# Altium PCB iMX53_BB_PCB_V1I2.PcbDoc (part 6 of 9)
Units mm, origin at the board's own origin, x right, y up, seen from the top; angles counter-clockwise.
Board outline 165 x 100.5 mm, 6 copper layers (Top, GND, SignalH, SignalV, Power, Bottom); 582 components, 590 nets, 2473 pads, 1817 vias.
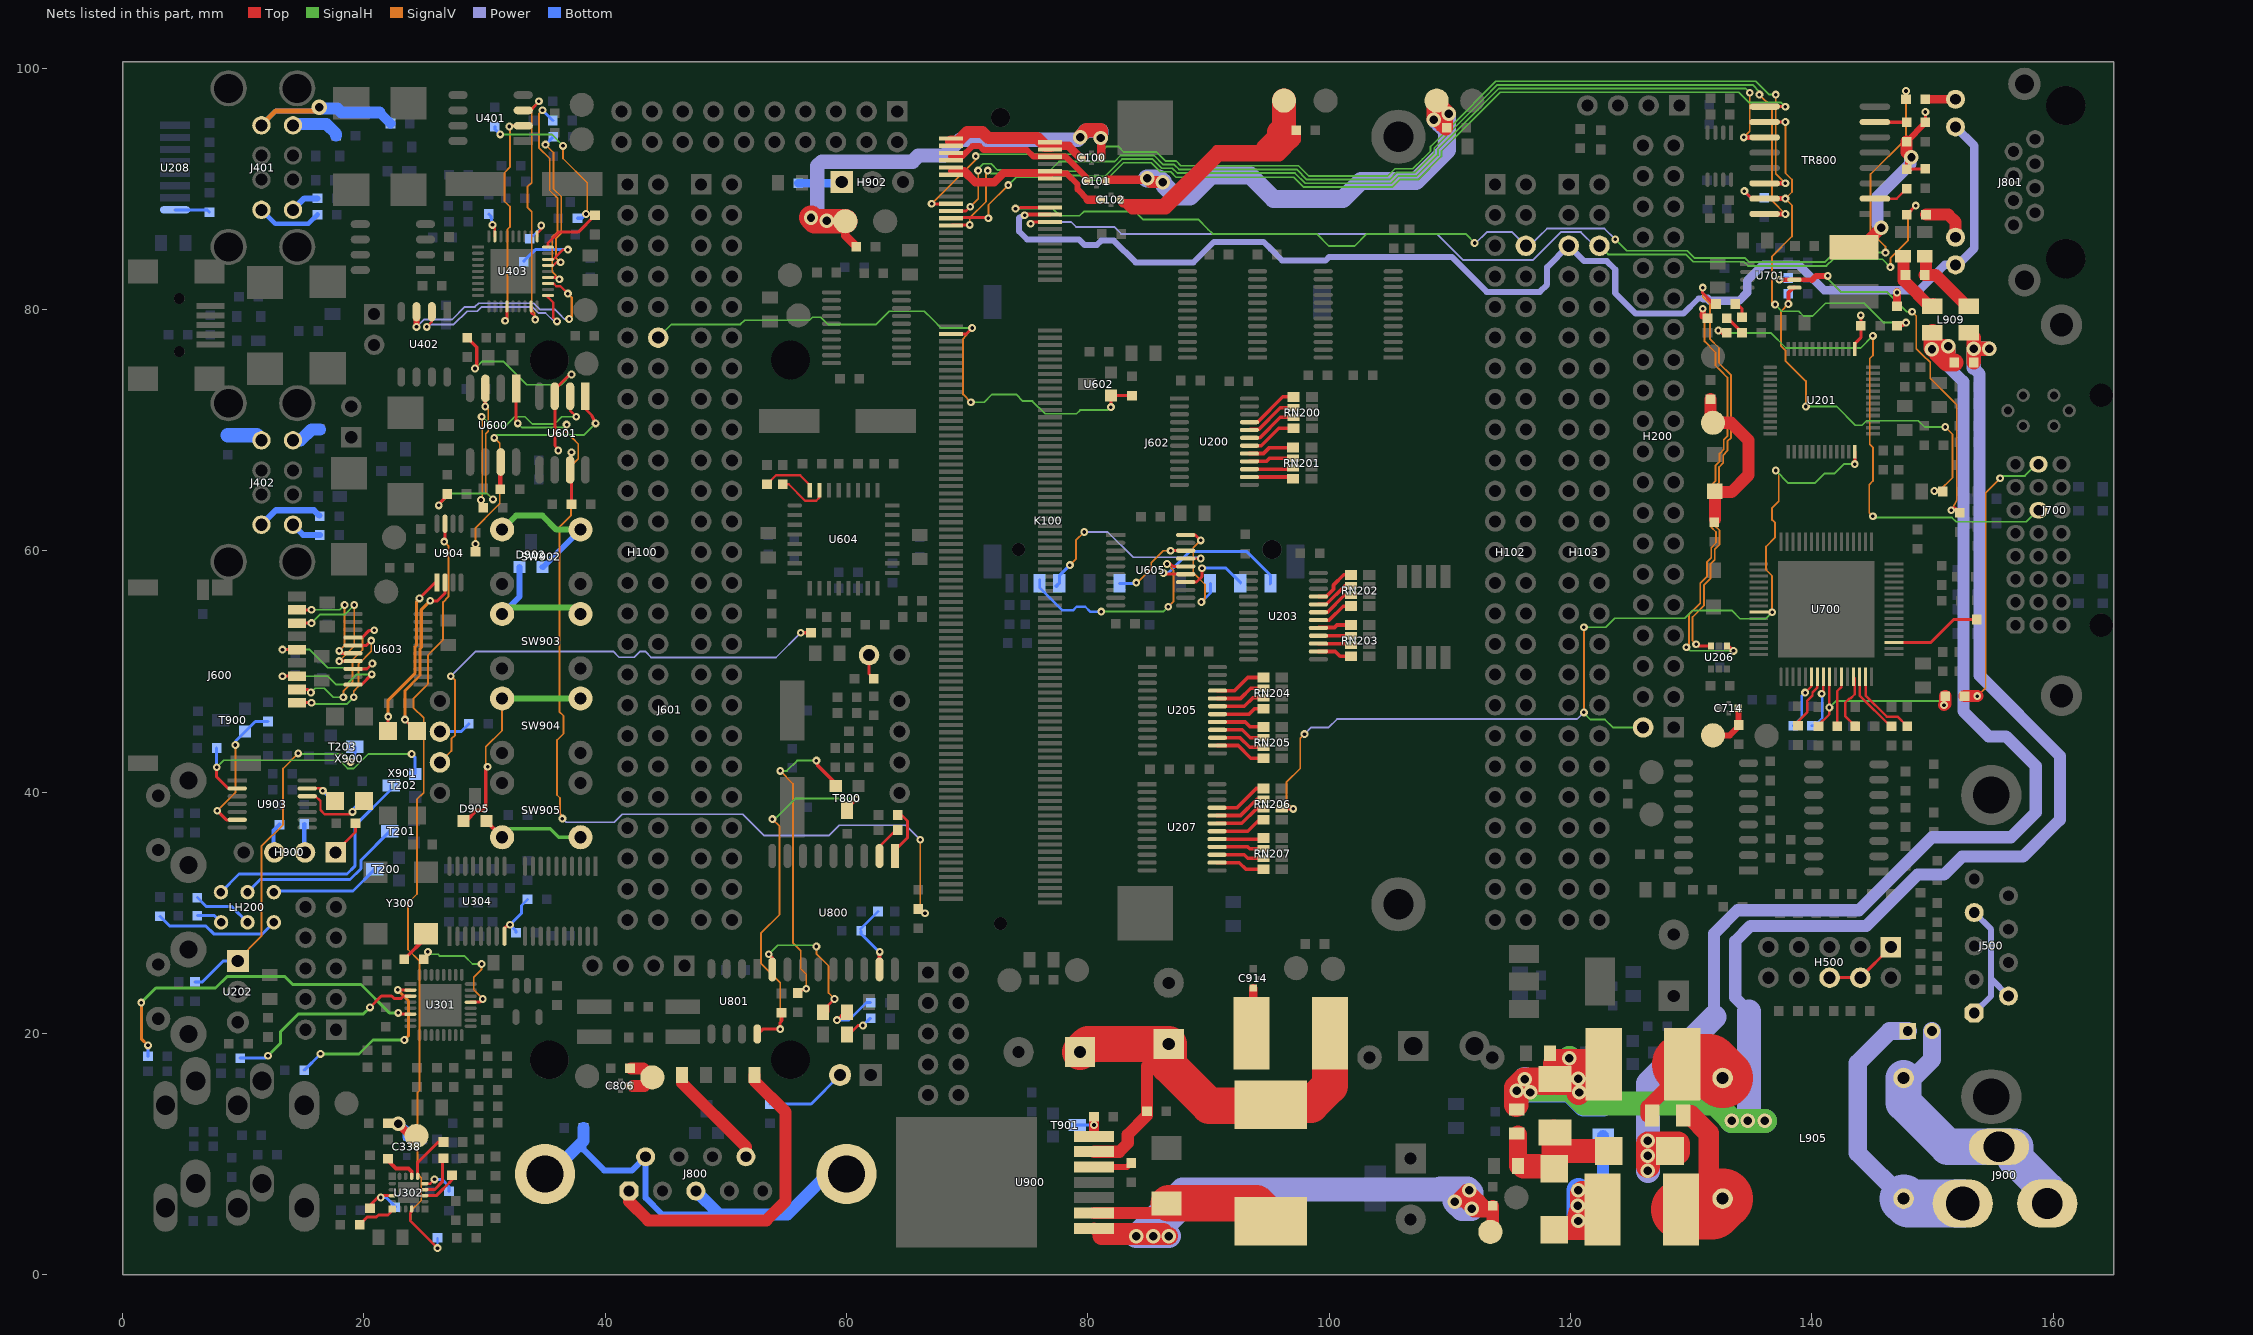
[diagram p10: the nets of this part, all layers, seen from the top]

## Via types
v1: diameter 0.65, hole 0.3, Top to Bottom, tented both sides, 1294 vias
v2: diameter 0.8, hole 0.4, Top to Bottom, tented both sides, 303 vias
v3: diameter 1.2, hole 0.7, Top to Bottom, tented both sides, 213 vias
v4: diameter 0.65, hole 0.3, Top to Bottom, 4 vias
v5: diameter 0.8, hole 0.4, Top to Bottom, 1 vias
v6: diameter 1.27, hole 0.711, Top to Bottom, tented both sides, 1 vias
v7: diameter 1.2, hole 0.7, Top to Bottom, 1 vias

## Nets (pads, with @x,y where several pads share a name; then routed paths per layer and width w, separated by ;. In a path a pad name is that pad's centre, name@x,y a point inside that pad or via, vN(x,y) a via of type N, cw(c..) or ccw(c..) an arc to the next point about the centre after c; other vN are vias at no path point) (continued)
NetC804_2: C804.2 R812.1 TR800.10 TR800.15 | length 37.3
  Top w0.25: v1(134.4,89.8) 135.025,89.175 TR800.15@136.078,89.175 ; TR800.10@136.078,95.525 v1(137.8,95.525) ; R812.1@147.05,78.65 147.55,78.65 v1(147.8,78.9)
  Top w0.4: TR800.15@136.078,89.175 v1(137.8,89.175)
  SignalH w0.15: v1(136.95,80.4) 137.5,79.85 138.9,79.85 139.3,79.45 140.076,79.45 141.126,80.5 144.324,80.5 144.474,80.35 144.5,80.35 145.952,78.898 147.798,78.898 v1(147.8,78.9)
  SignalV w0.15: v1(136.95,80.4) 136.7,80.35 136.7,80.4 136.7,84.4 138.35,86.05 138.35,88.625 v1(137.8,89.175) 138.35,89.725 138.35,90.75 137.8,91.3 v1(137.8,95.525)
  Bottom w0.25: v1(134.4,89.8) 134.95,89.25 C804.2@136.05,89.25
NetC805_1: C805.1 R814.2 R815.2 R817.1 R818.1 | length 17.4
  Top w0.25: v3(148.25,92.6) 147.85,92.2 R814.2@147.85,91.6 147.9,91.65 R818.1@149.4,91.65 ; R817.1@149.4,95.45 R817.1@149.4,95.5 v1(149.4,96.352)
  Top w0.5: R815.2@147.85,93.9 R817.1@149.4,95.45
  Top w1: C805.1@143.5,85.132 144.132,85.132 v3(145.75,86.75) ; R815.2@147.85,93.9 147.85,93 v3(148.25,92.6)
  Power w1: v3(145.75,86.75) 145.45,87.05 145.45,89.35 148.15,92.05 148.15,92.6 v3@148.15,92.65
NetC809_2: C809.2 R819.2 R820.1 U800.17 | length 5.9
  Top w0.35: U800.17@62.73,25.3 v1@62.73,26.75
  Bottom w0.25: R820.1@61.15,28.65 R819.2@62.6,30.1 ; R820.1@61.2,28.5 61.2,28.25 62.7,26.75 v1(62.75,26.75)
NetC904_2: C904.2 T901.3 U900.7 | length 3.2
  Top w0.8: U900.7@80.496,11.46 80.5,11.464 v1(80.5,12.4) C904.2@80.5,13.1
  SignalV w0.15: v1@80.3,12.4 v1(80.5,12.4)
  Bottom w0.25: T901.3@79.1,12.4 v1(80.5,12.4)
NetC907_2: C907.2 U900.5 | length 3.3
  Top w0.5: U900.5@80.496,8.92 83.22,8.92 C907.2@83.6,9.3
NetC909_2: C909.2 U903.13 X900.1 | length 4
  Top w0.2: U903.13@15.3,40.3 16.545,40.3 16.672,40.172 X900.1@17.59,39.255
  Bottom w0.2: C909.2@17.4,39.3 C909.2@17.55,39.3
  Bottom w0.3: v1(16.6,40.1) C909.2@17.4,39.3
NetC910_2: C910.2 U903.12 X900.2 | length 7.5
  Top w0.2: U903.12@15.3,39.65 16,39.65 16.4,39.25 16.4,38.5 16.75,38.15 18.885,38.15 19.068,38.332 X900.2@19.99,39.255
  Bottom w0.25: v1@19,38.4 19,38.45 C910.2@19.85,39.3
  other v1: 19.05,38.35
NetD902_1: D902.1 SW902.2 SW902.4 | length 11.9
  SignalH w0.5: SW902.4@31.45,61.75 32.6,62.9 34.8,62.9 35.95,61.75 SW902.2@37.95,61.75
  Bottom w0.5: D902.1@34.8,58.65 34.85,58.65 SW902.2@37.95,61.75
NetD902_2: D902.2 SW903.2 SW903.4 | length 11.5
  SignalH w0.5: SW903.4@31.45,54.75 32,55.3 37.4,55.3 SW903.2@37.95,54.75
  Bottom w0.5: SW903.4@31.45,54.75 32.9,56.2 D902.2@32.9,58.65
NetD905_1: D905.1 SW904.2 SW904.4 | length 18.5
  Top w0.3: D905.1@28.25,37.6 28.45,37.6 29.35,38.5 29.8,38.5 30.1,38.8 30.1,41.95 v1(30.25,42.1)
  SignalH w0.5: SW904.4@31.45,47.75 SW904.2@37.95,47.75
  SignalV w0.15: v1(30.25,42.1) 30.1,42.25 30.1,43.75 31.45,45.1 SW904.4@31.45,47.75
NetD905_2: D905.2 SW905.2 SW905.4 | length 9
  Top w0.3: D905.2@30.15,37.6 30.15,37.55 SW905.2@31.45,36.25
  SignalH w0.3: SW905.2@31.45,36.25 32.15,36.95 35.45,36.95 36.15,36.25 SW905.4@37.95,36.25
NetH500_1: H500.1 H500.4 H500.6 | length 6.1
  Top w0.25: H500.6@141.47,24.61 H500.4@144.01,24.61 H500.1@146.55,27.15
NetH801_2: H801.2 R801.1 | length 6.8
  Bottom w0.25: R801.1@53.65,14.15 57.06,14.15 H801.2@59.46,16.55
NetH900_1: H900.1 R901.1 | length 3.1
  Top w0.25: H900.1@17.61,35 17.635,35.025 19.3,36.69 R901.1@19.3,37.4
NetH900_2: H900.2 R904.1 | length 2.4
  Bottom w0.25: H900.2@15.05,35.02 H900.2@15.07,35
  Bottom w0.35: H900.2@15.05,35.02 R904.1@15.05,37.35
NetH900_3: H900.3 R905.1 | length 2.5
  Bottom w0.25: H900.3@12.5,35.03 H900.3@12.53,35
  Bottom w0.35: H900.3@12.5,35.03 12.5,36.8 R905.1@13,37.3
NetH902_1: H902.1 R909.1 | length 3.6
  Bottom w0.7: R909.1@56,90.45 59.5,90.45 H902.1@59.6,90.55
NetJ401_1: J401.1 L402.2 | length 23.1
  SignalV w0.4: J401.1@11.5,95.25 12.7,96.45 16.25,96.45 v6(16.3,96.75)
  Power w0.4: J401.1@11.5,95.25 12.7,96.45 16.2,96.45 16.4,96.65 v6@16.5,96.75
  Bottom w0.4: J401.1@11.5,95.25 12.7,96.45 16.05,96.45 16.325,96.725 16.339,96.739 v6@16.35,96.75
  Bottom w0.8: 21.3,96.3 L402.2@22.2,95.4
  Bottom w1: v6@16.35,96.75 v6(16.3,96.75) 16.339,96.739 16.65,96.65 17.8,96.65 18.15,96.3 21.3,96.3
NetJ401_4: J401.4 L404.2 | length 5.4
  Bottom w0.4: J401.4@11.5,88.25 12.65,87.1 15.4,87.1 L404.2@16.15,87.85
NetJ401_5: J401.5 L403.1 | length 4.1
  Bottom w1: J401.5@14.12,95.25 14.22,95.35 16.9,95.35 17.7,94.55 L403.1@17.7,94.4
NetJ401_8: J401.8 L405.2 | length 2.4
  Bottom w0.5: J401.8@14.12,88.25 15.07,89.2 L405.2@16.15,89.2
NetJ402_1: J402.1 L406.2 | length 3
  Bottom w1.2: L406.2@8.7,69.55 11.1,69.55 J402.1@11.5,69.15
NetJ402_4: J402.4 L408.2 | length 5.5
  Bottom w0.5: J402.4@11.5,62.15 12.7,63.35 15.85,63.35 L408.2@16.3,62.9
NetJ402_5: J402.5 L407.1 | length 2.6
  Bottom w1: J402.5@14.12,69.15 14.75,69.15 15.65,70.05 L407.1@16.35,70.05
NetJ402_8: J402.8 L409.2 | length 2.6
  Bottom w0.5: J402.8@14.12,62.15 14.97,61.3 L409.2@16.35,61.3
NetJ500_1: J500.1 J500.4 J500.6 | length 11.5
  Top w0.5: J500.4@153.452,30.012 J500.4@153.488,30.012
  Power w0.5: J500.1@153.452,21.694 154.85,23.092 154.85,24.529 ; J500.4@153.452,30.012 154.85,28.614 154.85,24.529 ; J500.6@156.288,23.091 154.85,24.529
NetJ600_1: J600.1 U603.15 | length 12.1
  Top w0.25: J600.1@14.45,47.4 v1(15.65,47.4) ; U603.15@19.1,52.15 20.2,52.15 v1(20.6,52.55)
  SignalH w0.15: v1(15.65,47.4) 15.75,47.3 18.6,47.3 v1(19.15,47.85)
  SignalV w0.15: v1(19.15,47.85) 19.15,48.35 19.55,48.75 19.55,50.6 20.6,51.65 v1(20.6,52.55) v1@20.8,52.55
NetJ600_2: J600.2 U603.14 | length 13.2
  Top w0.25: J600.2@14.45,48.5 15.35,48.5 v1(15.6,48.25) ; U603.14@19.1,52.8 19.85,52.8 20.45,53.4 v1(20.85,53.4)
  SignalH w0.15: v1(15.6,48.25) 15.95,48.6 16.7,48.6 17.45,47.85 v1(18.3,47.85)
  SignalV w0.15: v1(18.3,47.85) 18.3,48.35 19.05,49.1 19.05,50.95 19.882,51.782 19.882,52.832 20.45,53.4 v1(20.85,53.4)
NetJ600_3: J600.3 U603.20 | length 11.1
  Top w0.25: v1(13.25,49.6) J600.3@14.45,49.6 ; U603.20@19.1,48.9 19.8,48.9 v1(20.65,49.75)
  SignalH w0.15: v1(13.25,49.6) 17,49.6 17.7,48.9 18.55,48.9 19.4,49.75 v1(20.65,49.75)
NetJ600_5: J600.5 U603.18 | length 11.2
  Top w0.25: v1(13.25,51.8) J600.5@14.45,51.8 ; U603.18@19.1,50.2 20.25,50.2 v1(20.7,50.65)
  SignalH w0.15: v1(13.25,51.8) 15.5,51.8 17,50.3 20.35,50.3 v1(20.7,50.65)
NetJ600_7: J600.7 U603.17 | length 11.7
  Top w0.25: J600.7@14.45,54 v1(15.65,54) ; v1(17.95,50.85) U603.17@19.1,50.85
  SignalH w0.15: v1(15.65,54) 16.35,54.7 18.4,54.7 v1(19.2,55.5)
  SignalV w0.15: v1(17.95,50.85) 18.304,51.204 19.2,52.1 v1(19.2,55.5) ; v1@17.975,50.825 v1@18,50.85
NetJ600_8: J600.8 U603.16 | length 9.3
  Top w0.25: J600.8@14.45,55.1 v1(15.65,55.1) ; v1(17.95,51.7) 18.15,51.5 U603.16@19.1,51.5
  SignalH w0.15: v1(15.65,55.1) 18,55.1 v1(18.4,55.5)
  SignalV w0.15: v1(17.95,51.7) 18.4,52.15 v1(18.4,55.5)
NetJ601_6: J601.6 R624.2 | length 40
  Top w0.3: v1(56.198,53.2) R624.2@57.05,53.2
  SignalV w0.15: J601.6@26.3,42.46 27.094,43.254 27.25,43.41 27.25,44.397 27.55,44.697 27.55,49.25 v1(27.2,49.6)
  Power w0.15: v1(27.2,49.6) 29.25,51.65 40.65,51.65 41.136,51.164 42.414,51.164 42.9,51.65 43.3,51.65 43.8,51.15 54.148,51.15 v1(56.198,53.2)
NetJ601_7: J601.7 R623.2 | length 2.7
  Bottom w0.25: J601.7@26.3,45 28.05,45 R623.2@28.7,45.65
NetJ601_10: J601.10 R617.2 | length 2.1
  Top w0.25: J601.10@61.86,51.35 61.86,49.79 R617.2@62.25,49.4
NetJ602_1: J602.1 U605.15 | length 13.2
  Top w0.25: v1(86.25,58.15) 86.35,58.05 U605.15@88.1,58.05
  Bottom w0.15: J602.1@95.1,57.2 95.125,57.225 J602.1@95.125,57.3 J602.1@95.153,57.237
  Bottom w0.25: v1(86.25,58.15) 86.65,58.15 88.45,59.95 93.15,59.95 95.125,57.975 J602.1@95.125,57.3
NetJ602_2: J602.2 U605.14 | length 6
  Top w0.25: U605.14@88.1,57.4 89,57.4 89.45,57.85 v1(89.45,58.55)
  Bottom w0.15: J602.2@92.625,57.375 J602.2@92.625,57.3 J602.2@92.65,57.275
  Bottom w0.25: v1(89.45,58.55) 91.45,58.55 J602.2@92.625,57.375
NetJ602_3: J602.3 U605.20 | length 9.4
  Top w0.25: U605.20@88.1,61.3 88.9,61.3 v1(89.35,60.85)
  SignalV w0.15: v1(89.35,60.85) 88.734,60.234 88.734,58.166 89.03,57.87 89.7,57.2 89.7,56.05 v1(89.4,55.75)
  Bottom w0.15: v1@89.319,55.603 v1(89.4,55.75) ; J602.3@90.125,57.3 J602.3@90.15,57.275
  Bottom w0.25: v1(89.4,55.75) 90.15,56.5 J602.3@90.15,57.275
NetJ602_6: J602.6 U605.18 | length 6.9
  Top w0.25: v1(86.848,60) U605.18@88.1,60
  SignalV w0.15: v1(84,57.35) 84.1,57.35 85.25,58.5 85.25,59 86.25,60 v1(86.848,60)
  Bottom w0.25: J602.6@82.625,57.3 83.95,57.3 v1(84,57.35)
NetJ602_8: J602.8 U605.17 | length 17.5
  Top w0.2: U605.17@87.795,59.35 U605.17@88.1,59.35 v1(89.352,59.35)
  SignalV w0.15: v1(78.5,58.8) 79,59.3 79,60.85 v1(79.7,61.55)
  Power w0.15: v1(79.7,61.55) 81.65,61.55 83.75,59.45 89.252,59.45 v1(89.352,59.35)
  Bottom w0.25: J602.8@77.625,57.3 77.625,57.925 v1(78.5,58.8)
  Bottom w0.3: J602.8@77.4,57.075 J602.8@77.625,57.3
NetJ602_9: J602.9 U605.16 | length 18.2
  Top w0.25: v1@86.85,58.9 87.05,58.7 U605.16@88.1,58.7
  SignalH w0.15: v1(81.1,54.95) 86.25,54.95 v1(86.65,55.35)
  SignalV w0.15: v1(86.55,58.9) 87.1,58.35 87.1,55.8 v1(86.65,55.35)
  Bottom w0.2: J602.9@76,57.6 J602.9@76,57.3 ; v1(81.1,54.95) 80.181,54.95 79.781,55.35 79.05,55.35 78.75,55.05 77.9,55.05 J602.9@76,56.95 ; J602.9@76,56.95 J602.9@76,57.3 ; J602.9@76,56.95 J602.9@76,57.3
NetJ700_14: J700.14 R702.1 | length 44.4
  Top w0.25: v1(132.25,78.25) 132.581,77.96 R702.1@132.95,78.05
  SignalH w0.15: v1(132.25,78.25) 132.455,78.045 136.605,78.045 137.85,76.8 144.05,76.8 v1(145.05,77.8) ; v1(145.05,62.85) 145.15,62.75 151.6,62.75 151.95,62.4 157.75,62.4 158.7,63.35 J700.14@158.78,63.35
  SignalV w0.15: v1(145.05,62.85) 144.75,63.15 144.75,65.474 145.05,65.774 145.05,68.576 144.8,68.826 144.8,75.924 145.05,76.174 v1(145.05,77.8)
NetJ700_16: J700.16 R710.1 | length 23.8
  Top w0.15: v1@153.651,47.95 v1(153.7,47.95)
  Top w1: R710.1@152.65,47.95 v1(153.7,47.95)
  SignalH w0.15: v1(155.6,66) 155.75,66.2 157.65,66.2 158.61,67.16 J700.16@158.78,67.16
  SignalH w0.25: J700.16@158.78,66.93 J700.16@158.78,67.16
  SignalV w0.15: v1(153.7,47.95) 154.4,48.65 154.4,64.8 v1(155.6,66)
NetJ800_1: J800.1 L802.1 | length 26.7
  Top w1: J800.1@41.965,6.932 41.965,6.085 43.55,4.5 53.35,4.5 54.95,6.1 54.95,13.48 52.35,16.08 L802.1@52.35,16.55
NetJ800_3: J800.3 J800.6 J800.10 J800.11 L801.2 | length 39.2
  Power w1: J800.11@58.581,9.768 J800.11@59.999,8.35
  Bottom w0.5: 38.2,11.1 38.2,10.35 39.9,8.65 42.223,8.65 J800.6@43.341,9.768 43.341,6.359 44.7,5 49.442,5
  Bottom w1: J800.10@35.001,8.35 35.101,8.45 35.55,8.45 38.2,11.1 L801.2@38.2,12.15 ; J800.3@47.511,6.932 49.442,5 55.1,5 58.45,8.35 J800.11@59.999,8.35
NetJ800_9: J800.9 L800.1 | length 9
  Top w1: L800.1@46.35,16.55 46.35,15.9 51.659,10.591 J800.9@51.659,9.768
NetJ801_9: J801.9 R813.2 | length 2.5
  Top w0.7: R813.2@149.4,97.4 149.41,97.41 J801.9@151.9,97.41
NetJ801_11: J801.11 R816.2 | length 4
  Top w1: R816.2@149.45,87.85 151.3,87.85 151.9,87.25 J801.11@151.9,85.98
NetL204_1: L204.1 R206.1 | length 1.5
  Top w0.25: R206.1@133.65,80.6 134.2,80.05 L204.1@134.2,79.35
NetL205_1: L205.1 R207.1 | length 3.7
  Top w0.15: R207.1@132.95,79.35 R207.1@132.95,79.25 134.15,78.05 L205.1@134.2,78.05
  Top w0.25: R207.1@132.95,79.35 134.2,78.1 L205.1@134.2,78.05
NetL301_1: L301.1 U301.6 | length 29.2
  Top w0.25: v1(22.85,21.7) 22.962,21.588 U301.6@23.85,21.588
  SignalH w0.25: v1(1.55,22.55) 2.75,23.75 7.7,23.75 8.65,24.7 13.45,24.7 14.1,24.05 19.75,24.05 22.1,21.7 v1(22.85,21.7)
  SignalV w0.25: v1(1.55,22.55) 1.55,19.55 v1(2.1,19)
  Bottom w0.25: L301.1@2.1,18.1 v1(2.1,19)
NetL302_1: L302.1 U301.2 | length 15.1
  Top w0.25: v1@22.8,23.588 U301.2@23.85,23.588
  SignalH w0.25: v1(16.396,18.296) 19.596,18.296 20.75,19.45 v1(23.35,19.45)
  SignalV w0.25: v1(22.8,23.6) 23.7,22.7 23.7,19.8 v1(23.35,19.45)
  Bottom w0.25: L302.1@15.05,16.95 v1(16.396,18.296)
NetL303_1: L303.1 U301.3 | length 16.9
  Top w0.25: v1(20.5,22.15) 21.438,23.088 22.3,23.088 22.488,22.9 23.1,22.9 23.288,23.088 U301.3@23.85,23.088
  SignalH w0.25: v1(12.05,18.15) 13.1,19.2 13.1,20.15 14.55,21.6 19.95,21.6 v1(20.5,22.15)
  Bottom w0.25: L303.1@9.75,17.95 11.85,17.95 v1(12.05,18.15)
NetL312_2: L312.2 R316.2 U302.4 | length 4
  Top w0.25: L312.2@20.5,5.5 20.45,5.55 20.45,5.7 21.15,6.4 v1(21.4,6.4) 21.55,6.55 U302.4@22.35,6.55
  Bottom w0.25: v1(21.4,6.4) 21.85,6.4 22.6,5.65 R316.2@22.6,5.6
NetL703_1: L703.1 R714.2 U701.6 | length 32.3
  Top w0.25: v1(151.55,63.35) 151.74,63.528 151.872,63.528 L703.1@152.25,63.15
  Top w0.4: v1(137.3,82.45) U701.6@138.55,82.45 140.01,82.45
  Top w0.5: 140.01,82.45 140.335,82.775 v1(141.308,82.775)
  SignalH w0.15: v1(141.308,82.775) 141.308,82.542 142.4,81.45 146.2,81.45 147.85,79.8 v1(148.3,79.8)
  SignalV w0.15: v1(148.3,79.8) 148.65,79.45 148.65,76.75 149.187,76.213 149.8,75.6 149.8,74.3 152,72.1 152,64.15 v1(151.55,63.35)
  Bottom w0.25: v1(137.3,82.45) 137.45,82.6 R714.2@138.05,82.6
NetL704_1: L704.1 R715.2 U701.5 | length 31.7
  Top w0.15: v1(150.15,64.95) L704.1@150.85,64.9
  Top w0.35: v1(138.05,80.448) 138.05,81.4 138.45,81.8 U701.5@138.55,81.8
  SignalH w0.15: v1(139.5,71.95) 142.05,71.95 143.6,70.4 144.15,70.4 144.525,70.775 148.825,70.775 149.35,70.25 v1(151.05,70.25)
  SignalV w0.15: v1(138.05,80.448) 137.45,79.848 137.45,76.95 137.8,76.6 137.8,75.75 139.5,74.05 v1(139.5,71.95) ; v1(150.15,64.95) 150.55,64.95 151.65,66.05 151.65,69.65 v1(151.05,70.25)
  Bottom w0.25: v1(138.05,80.448) R715.2@138.05,81.3
NetLD800_1: LD800.1 R807.2 | length 2.5
  Top w0.25: LD800.1@60.05,19.9 60.2,19.9 60.95,20.65 v1(61.35,20.65)
  Bottom w0.25: v1(61.35,20.65) 61.95,21.25 R807.2@62,21.25
NetLD801_1: LD801.1 R808.2 | length 4.5
  Top w0.25: v1(59.2,21.1) 59.85,21.75 LD801.1@60.05,21.75
  Bottom w0.25: v1(59.2,21.1) 60.2,21.1 61.65,22.55 R808.2@62,22.55
NetLD801_2: LD801.2 U800.10 | length 12
  Top w0.25: v1(53.55,26.55) 53.84,26.26 U800.10@53.84,25.3 ; LD801.2@58.45,21.75 58.45,22.3 v1(59,22.85)
  SignalH w0.15: v1(53.55,26.55) 54.3,27.3 57.4,27.3 v1(57.5,27.2)
  SignalV w0.15: v1(57.5,27.2) 57.5,26.6 58.5,25.6 58.5,23.35 v1(59,22.85)
NetLH200_1: LH200.1 T202.3 | length 19.9
  Bottom w0.25: LH200.1@8.152,31.704 8.154,31.704 9.65,33.2 18.6,33.2 19.25,33.85 19.25,37.2 22.25,40.2 T202.3@22.25,40.55
NetLH200_2: LH200.2 R208.2 | length 2.2
  Bottom w0.25: R208.2@6.2,29.75 7.61,29.75 LH200.2@8.16,29.2
NetLH200_3: LH200.3 T201.3 | length 14.3
  Bottom w0.25: LH200.3@10.352,31.704 11.397,32.75 18.85,32.75 19.75,33.65 19.75,34.35 T201.3@22.15,36.75
NetLH200_4: LH200.4 R209.2 | length 5
  Bottom w0.25: R209.2@6.2,31.25 6.95,30.5 9.056,30.5 LH200.4@10.352,29.204
NetLH200_5: LH200.5 T200.3 | length 9.1
  Bottom w0.25: LH200.5@12.54,31.7 12.64,31.8 19.1,31.8 T200.3@20.9,33.6
NetLH200_6: LH200.6 R210.2 | length 10.4
  Bottom w0.25: R210.2@3.1,29.7 3.9,28.9 6.9,28.9 7.55,28.25 11.59,28.25 LH200.6@12.54,29.2
NetR201_2: R201.2 T203.3 U202.1 | length 29.5
  SignalH w0.15: v1(14.55,43.2) 14.75,43.15 18.25,43.15 v1(18.9,42.5)
  SignalV w0.15: U202.1@9.45,25.99 9.5,26.04 11.5,28.04 11.5,35.5 13.3,37.3 13.3,41.95 v1(14.55,43.2)
  Bottom w0.25: R201.2@6,24.25 6.6,24.25 8.34,25.99 U202.1@9.45,25.99 ; v1(18.9,42.5) 19.25,42.85 T203.3@19.25,43.75
NetR202_2: R202.2 U201.37 | length 3
  Top w0.15: v1@144.05,79.22 v1(144.05,79.502)
  Top w0.25: U201.37@143.55,76.7 143.55,77.15 144.05,77.65 R202.2@144.05,78.65 v1@144.05,79.22
NetR206_2: R206.2 U206.6 | length 35.5
  Top w0.25: v1(130.4,52.25) 130.55,52.1 U206.6@131.65,52.1 ; v1(130.95,81.8) 130.95,81.35 131.7,80.6 R206.2@132.05,80.6
  SignalV w0.15: v1(130.4,52.25) 130.1,52.55 130.1,54.5 131.05,55.45 131.05,57.15 131.6,57.7 131.6,58.9 131.95,59.25 131.95,60.126 132.35,60.526 132.35,61.674 131.95,62.074 131.95,65.276 132.3,65.626 132.3,66.926 132.65,67.276 132.65,67.926 133,68.276 133,68.476 133,69.076 133.3,69.376 133.3,74.55 132.3,75.55 132.3,76.8 131.55,77.55 131.55,80.45 130.95,81.05 v1(130.95,81.8)
NetR207_2: R207.2 U206.4 | length 36.5
  Top w0.2: R207.2@131.35,79.35 R207.2@131.35,79.4
  Top w0.25: U206.4@132.95,52.1 133.1,52.1 v1(133.5,51.7)
  Top w0.5: v1(130.956,80.049) 130.95,79.4 R207.2@131.35,79.4
  SignalH w0.15: v1(129.6,52) 129.9,51.7 v1(133.5,51.7)
  SignalV w0.15: v1(129.6,52) 129.8,52.2 129.8,54.7 130.75,55.65 130.75,57.3 131.3,57.85 131.3,59.05 131.65,59.4 131.65,60.25 132.05,60.65 132.05,61.55 131.65,61.95 131.65,65.4 132,65.75 132,67.05 132.35,67.4 132.35,68.05 132.7,68.4 132.7,69.2 133,69.5 133,74.35 132.387,74.963 132,75.35 132,76.45 131.105,77.345 131.105,79.901 v1(130.956,80.049)
NetR213_1: R213.1 U208.1 | length 2.9
  Bottom w0.25: U208.1@4.35,88.25 7,88.25 R213.1@7.2,88.05
NetR305_1: R305.1 Y300.3 | length 2.9
  Top w0.3: R305.1@23.35,26.15 25.15,27.95 Y300.3@25.15,28.26
NetR305_2: R305.2 U301.21 | length 10.2
  Top w0.25: R305.2@24.95,26.15 25,26.15 v1(25.3,26.75) ; U301.21@28.85,22.588 29.588,22.588 v1(29.85,22.85)
  SignalH w0.15: v1(25.3,26.75) 25.5,26.55 26.15,26.55 26.3,26.4 28.35,26.4 29,25.75 v1(29.75,25.75)
  SignalV w0.15: v1(29.75,25.75) 29.75,25.3 29.1,24.65 29.1,23.6 v1(29.85,22.85)
NetR308_1: R308.1 U302.6 | length 3.1
  Top w0.25: R308.1@19.65,4.15 20.3,4.8 21.05,4.8 21.2,4.95 22,4.95 U302.6@22.208,5.158 ; U302.6@22.35,5.3 U302.6@22.35,5.45
NetR310_2: R310.2 U302.13 | length 3.6
  Top w0.2: R310.2@27.3,8.25 R310.2@27.4,8.15
  Top w0.25: U302.13@25.05,6.55 26,6.55 27.25,7.8 ; 27.077,7.627 27.3,7.85 R310.2@27.3,8.25
NetR311_2: R311.2 U302.14 | length 3.7
  Top w0.25: U302.14@25.05,7.05 25.85,7.05 26.5,7.7 26.5,9.55 R311.2@26.6,9.65
NetR312_2: R312.2 R315.2 U302.15 | length 2.8
  Top w0.2: U302.15@25.05,7.55 25.5,7.55 v1(25.85,7.9)
  Bottom w0.25: v1(25.85,7.9) 26.45,7.9 27.05,7.3 R312.2@27.05,6.9
NetR314_2: R314.2 U302.17 | length 4
  Top w0.25: U302.17@24.45,8.15 24.45,9.3 26.15,11 R314.2@26.6,11
NetR320_2: R320.2 U302.18 | length 2.9
  Top w0.3: R320.2@22,9.6 22,9.45 22.65,8.8 23.7,8.8 23.95,8.55 U302.18@23.95,8.15
NetR321_2: R321.2 R322.2 U304.8 | length 4.8
  Top w0.25: U304.8@31.65,28.05 31.65,28.7 31.95,29 v1(32.1,29)
  Bottom w0.25: R322.2@32.6,28.35 32.6,28.5 v1(32.1,29) 33.05,29.95 33.05,30.6 R321.2@33.55,31.1
NetR404_1: R404.1 R406.1 R411.1 U403.27 | length 19.8
  Top w0.25: U403.27@35.25,85.15 35.25,85.5 36.15,86.4 37.75,86.4 R411.1@39.15,87.8 v1(38.4,87.9)
  SignalH w0.15: v1(31.3,94.5) 35.55,94.5 v1(36.5,93.55)
  SignalV w0.15: v1(36.5,93.55) 36.5,92.5 38.5,90.5 38.5,87.9 v1@38.5,87.8
  Bottom w0.25: R404.1@30.85,95.15 30.85,94.95 v1(31.3,94.5) ; R406.1@37.7,87.55 38.05,87.55 v1(38.4,87.9)
NetR407_2: R407.2 R416.1 R418.1 U403.22 | length 17.4
  Top w0.25: U403.22@35.25,82.65 36.05,82.65 v1(36.2,82.5)
  SignalV w0.15: v1(34.8,96.5) 34.5,96.2 34.5,93.4 35.4,92.5 35.4,89.85 36.05,89.2 36.05,86.45 35.6,86 35.6,83.1 v1(36.2,82.5)
  Bottom w0.25: v1(34.8,96.5) R418.1@35.65,95.65
NetR408_2: R408.2 R417.1 R419.1 U403.24 | length 12.7
  Top w0.2: U403.24@35.25,83.65 35.7,83.65 36,83.95 v1(36.3,83.9)
  SignalV w0.15: v1(35.05,93.65) 35.7,93 35.7,90 36.35,89.35 36.35,86.3 35.907,85.857 35.907,84.293 v1(36.3,83.9)
  Bottom w0.25: v1(35.05,93.65) R419.1@35.7,94.3
NetR412_1: R412.1 U403.25 | length 6.1
  Top w0.2: U403.25@35.25,84.15 35.7,84.15 36.5,84.95 v1(36.9,84.95)
  Bottom w0.25: R412.1@33.25,83.95 33.25,84 34.2,84.95 v1(36.9,84.95)
NetR413_1: R413.1 U403.28 | length 2.3
  Top w0.2: U403.28@34.35,86.05 34.35,86.3 34.8,86.75 v1(34.7,86.95)
  Bottom w0.2: R413.1@34,86.05 34,86.1 34.65,86.75 v1(34.7,86.95)
NetR415_2: R415.2 U403.35 | length 2
  Top w0.2: v1(30.65,87) 30.85,86.7 U403.35@30.85,86.05
  Bottom w0.25: R415.2@30.35,87.9 30.55,87.7 v1(30.65,87)
NetR600_2: R600.2 R608.1 U600.3 | length 16.1
  Top w0.2: U600.3@30,73.435 30.025,73.41 30.05,73.385 30.05,73.435 U600.3@30.065,73.45
  Top w0.3: v1(26.2,63.75) 26.2,63.843 26.9,64.543 R600.2@26.9,64.7 ; v1(30.05,71.95) U600.3@30.05,73.385
  SignalH w0.15: v1(26.2,63.75) 27.2,64.75 30.2,64.75 v1(30.7,64.25)
  SignalV w0.15: v1(30.05,71.95) 30.3,71.7 30.3,69.9 30.1,69.7 30.1,64.85 v1(30.7,64.25)
NetR601_2: R601.2 R609.1 U601.1 | length 21.9
  Top w0.25: U601.1@38.355,72.8 38.355,71.745 38.9,71.2 v1(39.2,70.55)
  Top w0.3: R609.1@29.25,59.9 v1(29.25,60.55)
  SignalH w0.15: v1(30.8,69.35) 31.05,69.6 38.25,69.6 v1(39.2,70.55)
  SignalV w0.15: v1(29.25,60.55) 29.25,61.9 30.82,63.47 31.25,63.9 31.25,68.9 v1(30.8,69.35)
NetR602_2: R602.2 R610.1 U601.2 | length 18.8
  Top w0.2: U601.2@37.085,72.8 37.085,71.615 v1(37.6,71.1)
  Top w0.3: v1(29.7,64.2) 29.7,63.75 R610.1@29.9,63.55
  SignalH w0.15: v1(29.75,71.1) 30.583,70.35 31.75,70.35 32.5,71.1 33.35,71.1 33.95,70.5 35.8,70.5 36.4,71.1 v1(37.6,71.1)